# Altium PCB Item.PcbDoc
Units mm, origin at the board's own origin, x right, y up, seen from the top; angles counter-clockwise.
Board outline 55.9 x 55.9 mm, 2 copper layers (Top Layer, Bottom Layer); 35 components, 43 nets, 174 pads, 142 vias.
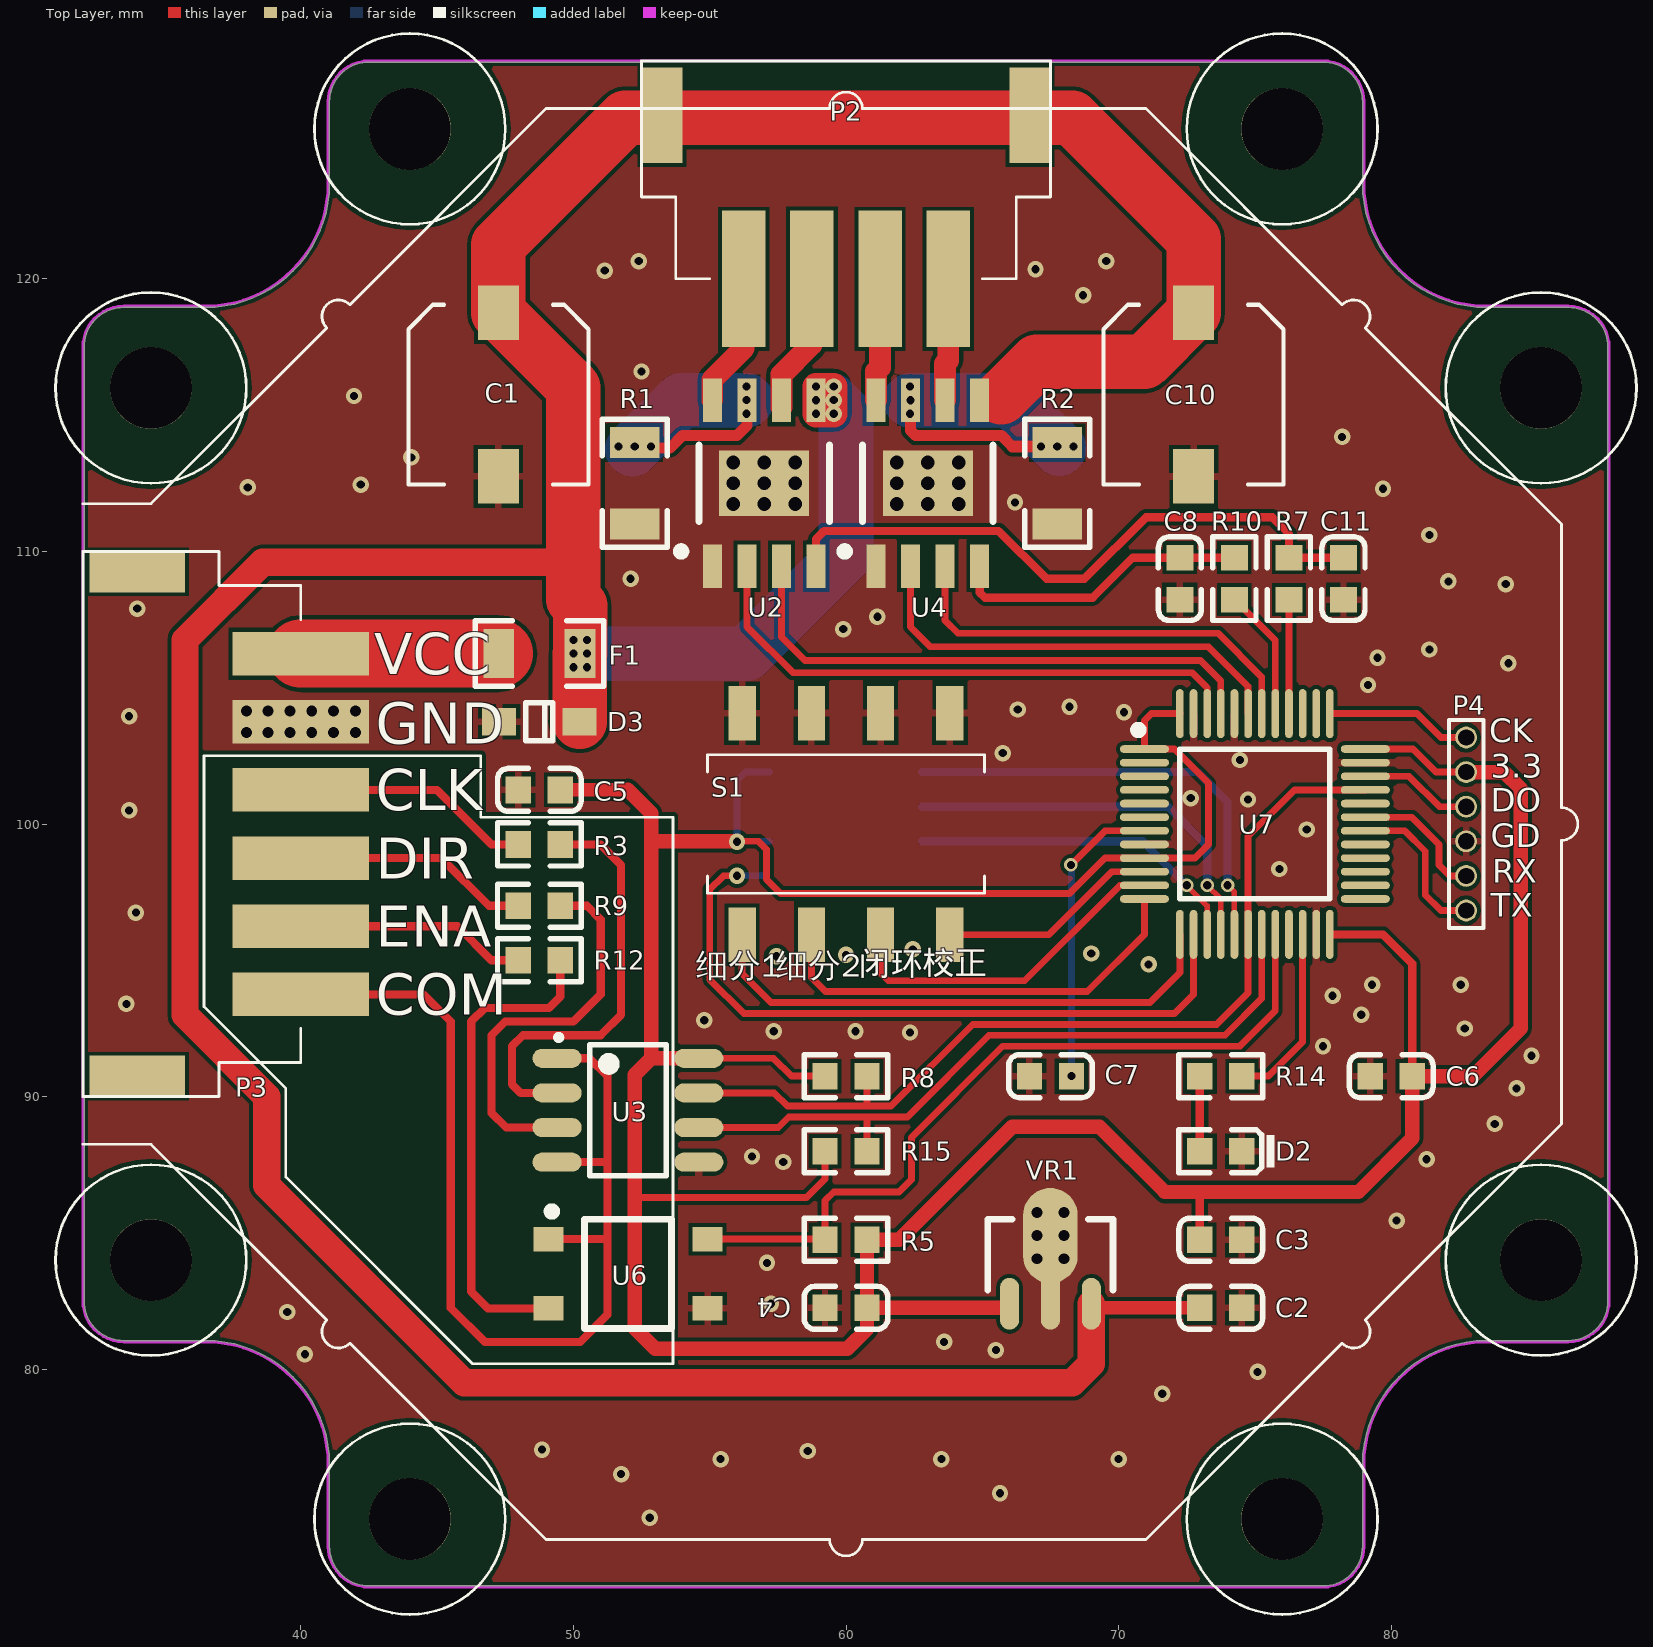
[diagram p0: Top Layer view]
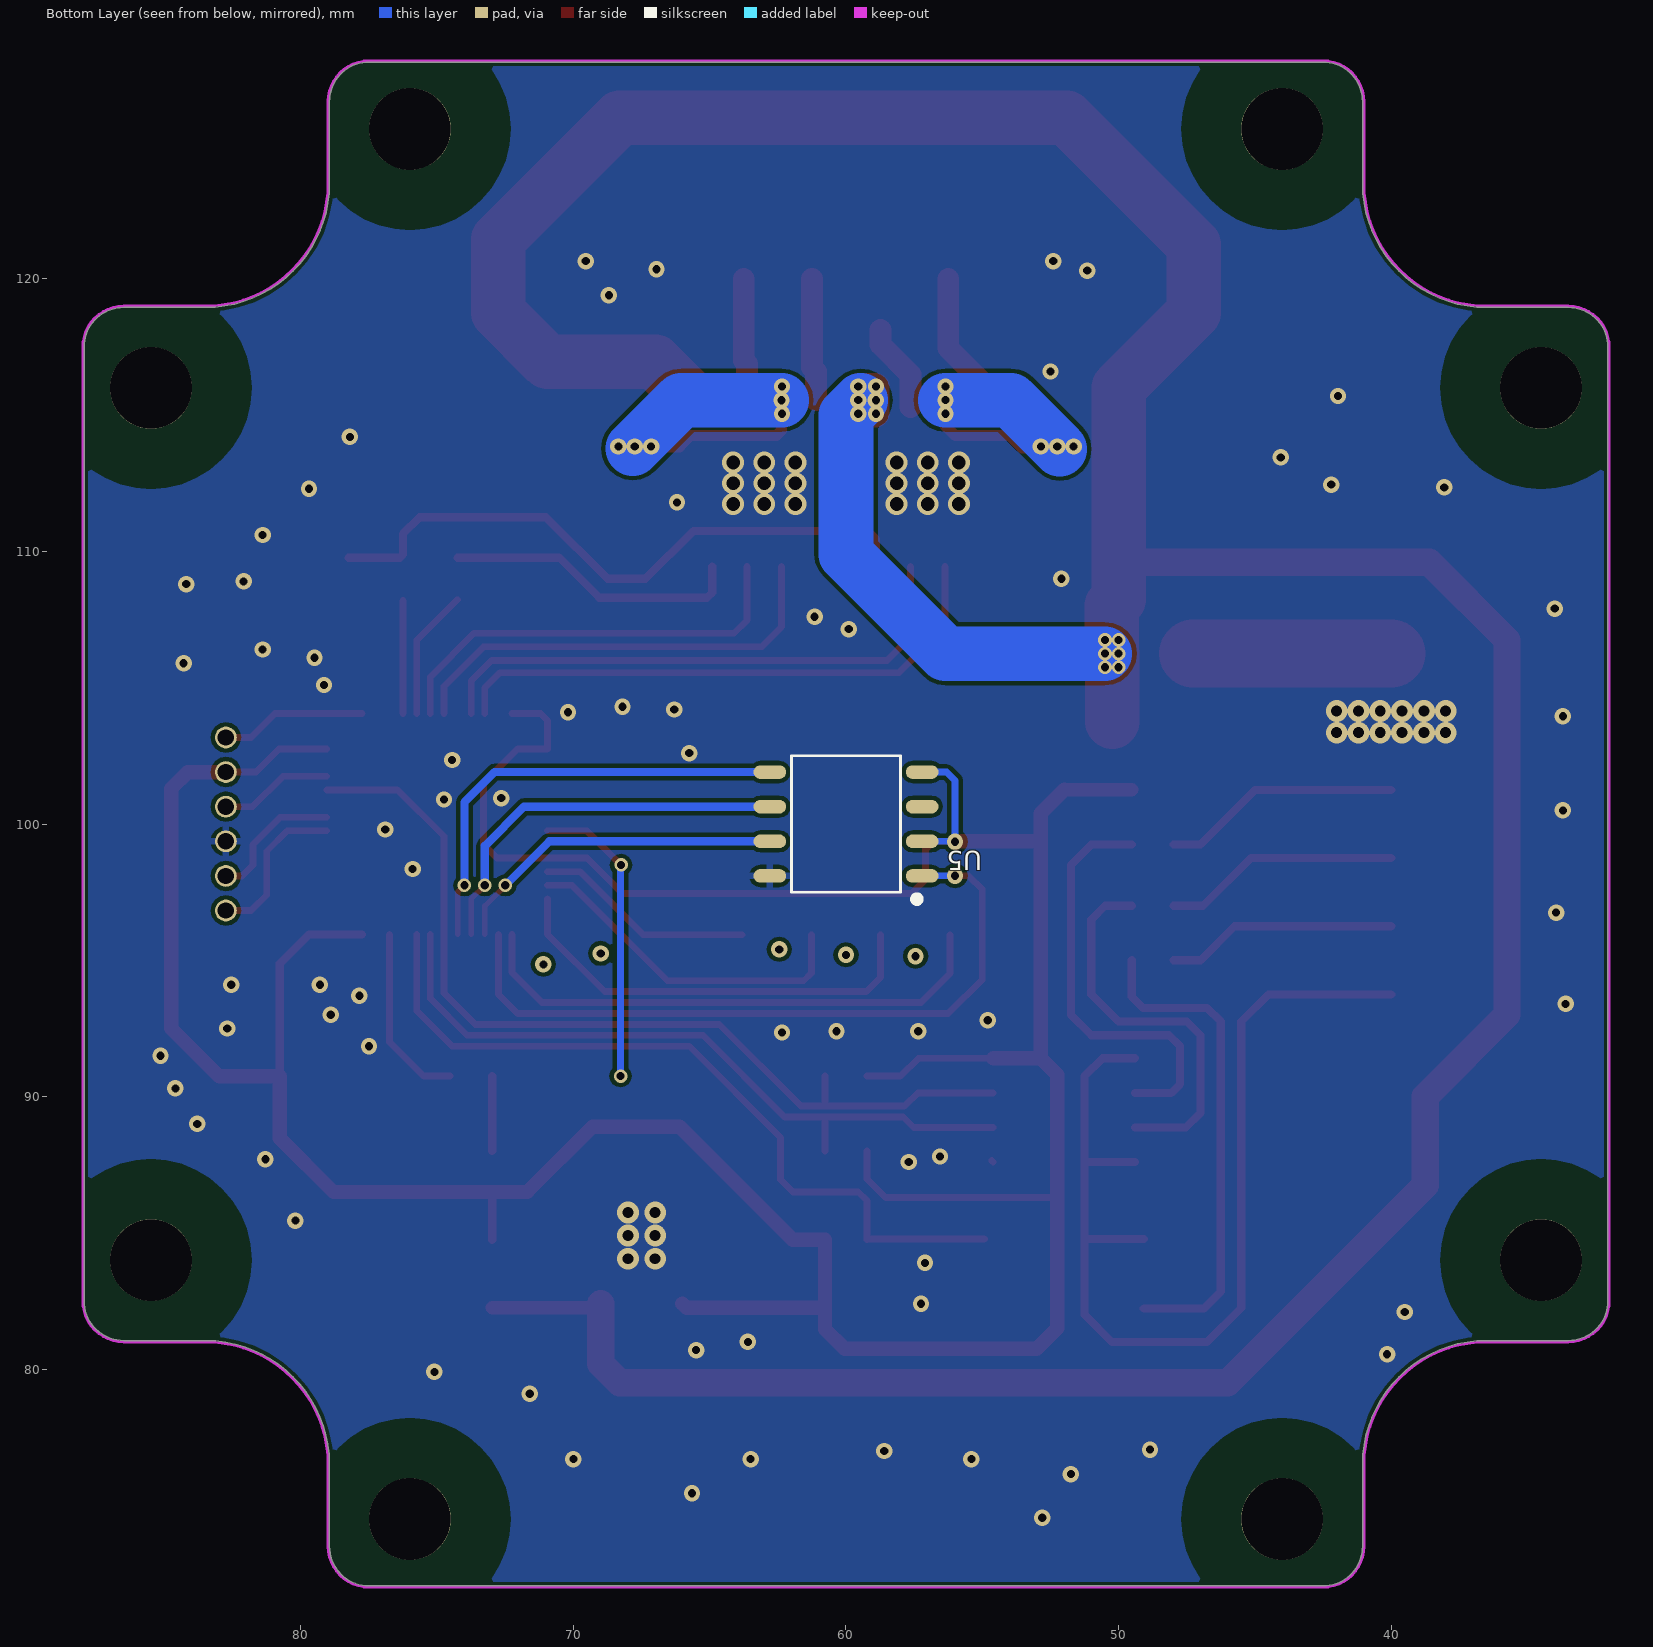
[diagram p1: Bottom Layer view, seen from below]
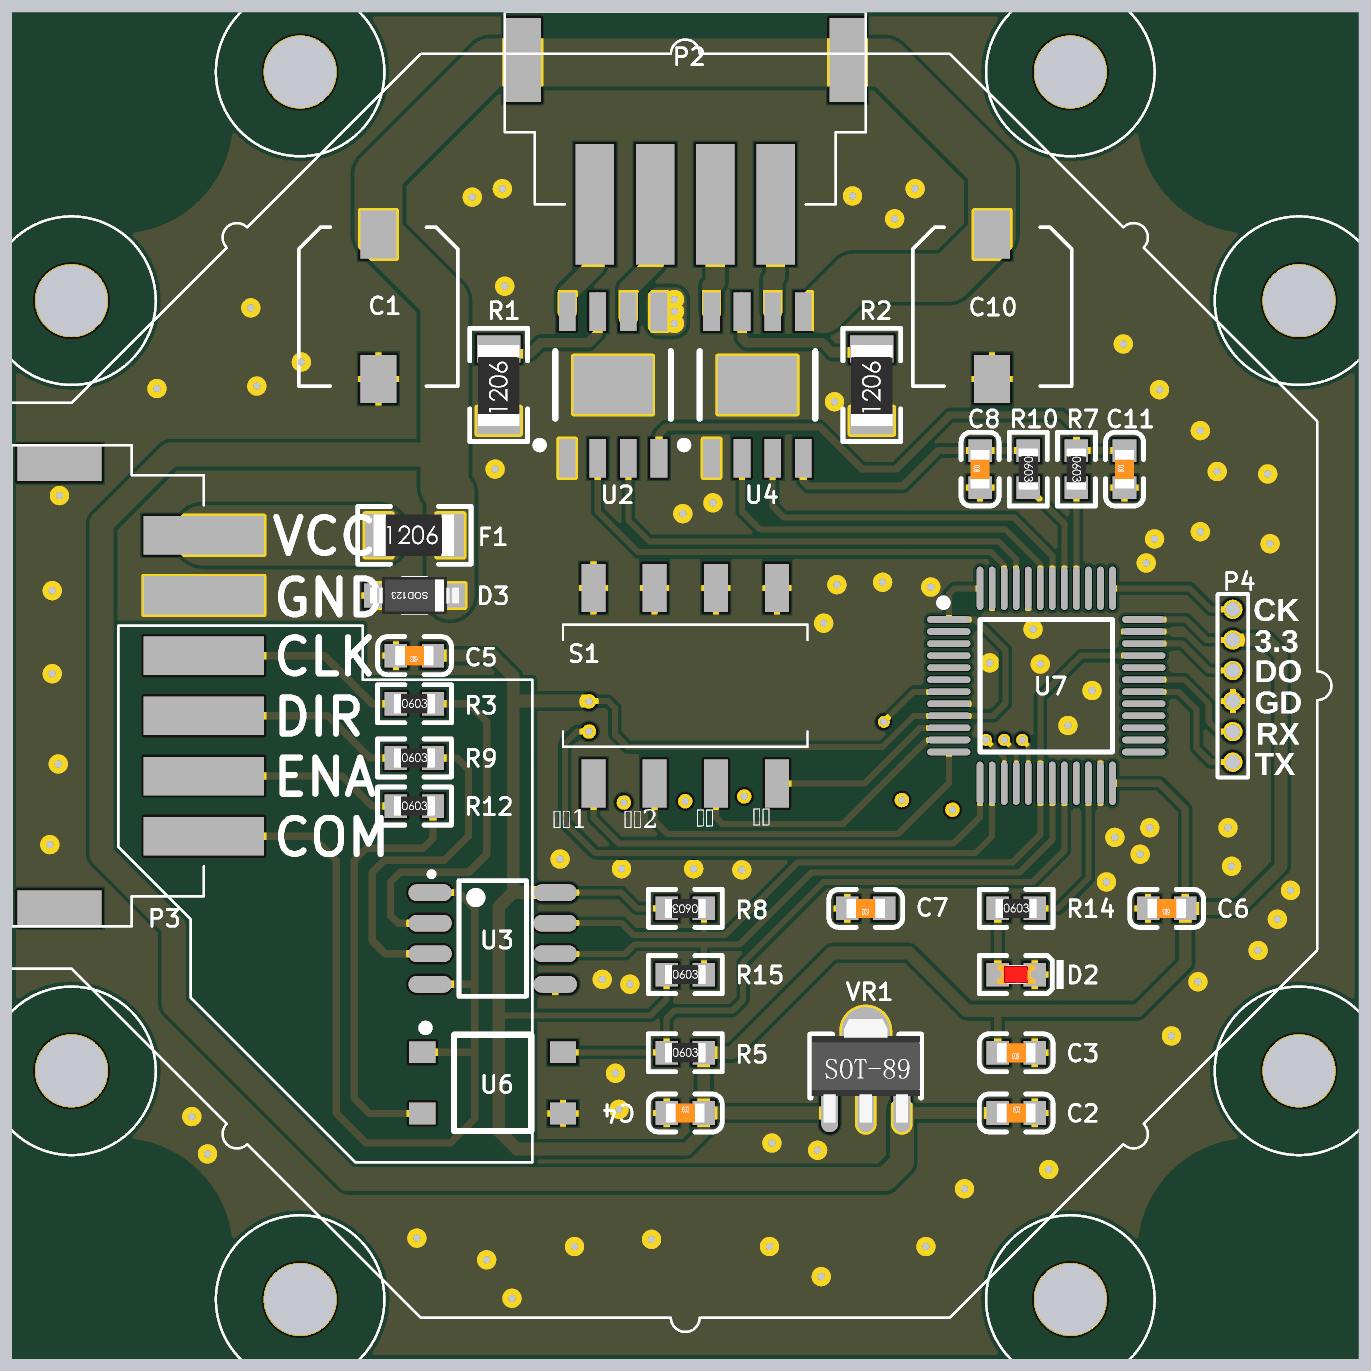
[diagram p2: 3D render of the assembled board from above, using the file's embedded part models]

## Layer stack, top to bottom
Top Layer: signal copper 0.0356
Dielectric: dielectric 0.32, FR-4, Dk 4.8
Bottom Layer: signal copper 0.0356

## Board outline
41.05,73.5 41.05,76.5 cw(c41,76.5) 41.05,76.499 41.05,76.5 ccw(c36.5,76.5) 36.5,81.05 33.5,81.05 cw(c33.5,82.5) 32.05,82.5 32.05,117.5 cw(c33.5,117.5) 33.5,118.95 36.5,118.95 ccw(c36.5,123.5) 41.05,123.5 ccw(c41,123.5) 41.05,123.501 41.05,126.5 cw(c42.5,126.5) 42.5,127.95 77.5,127.95 cw(c77.5,126.5) 78.95,126.5 78.95,123.5 ccw(c83.5,123.5) 83.5,118.95 ccw(c83.5,119) 83.501,118.95 86.5,118.95 cw(c86.5,117.5) 87.95,117.5 87.95,82.5 cw(c86.5,82.5) 86.5,81.05 83.476,81.05 ccw(c83.476,81) 83.473,81.05 ccw(c83.5,76.5) 78.95,76.527 ccw(c79,76.524) 78.95,76.524 78.95,73.5 cw(c77.5,73.5) 77.5,72.05 42.5,72.05 cw(c42.5,73.5)

## Design rules (kind name [scope] priority, off if disabled: settings)
Clearance Clearance_1 [All] p1: gap=0.15
ComponentClearance [All] p1: gap=0 collisioncheckmode=3 verticalgap=0 showdistances=FALSE
HoleSize [All] p1: absolutevalues=TRUE maxlimit=5 minlimit=0.3 maxpercent=80.000 minpercent=20.000
HoleToHoleClearance [All] p1: gap=0.16 allowstackedmicrovias=TRUE
MinimumSolderMaskSliver [All] p1: minsoldermaskwidth=0
PolygonConnect PolygonConnect_3 [(InComponent('U2') OR InComponent('U4') OR InComponent('R2') OR InComponent('R1')) OR InComponent('VR1')] p1: connectstyle=Direct reliefconductorwidth=0.254 reliefentries=4 polygonreliefangle="90 Angle"
PolygonConnect PolygonConnect_2 [InComponent('P3')] p2: connectstyle=Direct reliefconductorwidth=0.254 reliefentries=4 polygonreliefangle="90 Angle"
PolygonConnect PolygonConnect_1 [isvia] p3: connectstyle=Direct reliefconductorwidth=0.254 reliefentries=4 polygonreliefangle="90 Angle"
PolygonConnect [All] p4: connectstyle=Relief reliefconductorwidth=0.254 reliefentries=4 polygonreliefangle="90 Angle"
RoutingVias [All] p1: holewidth=0.3 width=0.6 viastyle="Through Hole" minholewidth=0.3 minwidth=0.5 maxholewidth=0.711 maxwidth=1.27
SilkToSilkClearance [All] p1: silktosilkclearance=0
SilkscreenOverComponentPads [All] p1: minsilkscreentomaskgap=0.1
SolderMaskExpansion [All] p1: expansion=0.102
Width [All] p1: maxlimit=5 minlimit=0.16 preferedwidth=0.25
22 further rules are at their usual default settings.

## Components (designator, comment, footprint, x,y, rotation, side; value= is the part's Value field where it differs from the comment)
C1 "CAP POL" CAP6377 47.25,115.75 r0 top
C2 "100nF (104) 10% 50V" 0603_C 73.75,82.25 r0 top
C3 "1uF (105) 10% 50V" 0603_C 73.75,84.75 r180 top
C4 "1uF (105) 10% 50V" 0603_C 60,82.25 r0 top
C5 "100nF (104) 10% 50V" 0603_C 48.75,101.25 r180 top
C6 "100nF (104) 10% 50V" 0603_C 80,90.75 r180 top
C7 "100nF (104) 10% 50V" 0603_C 67.5,90.75 r180 top
C8 "100nF (104) 10% 50V" 0603_C 72.25,109 r90 top
C10 "CAP POL" CAP6377 72.75,115.75 r0 top
C11 "100nF (104) 10% 50V" 0603_C 78.25,109 r90 top
D2 "蓝灯 0603" 0603_LED_S1 73.75,88 r180 top
D3 "DIODE" SOD-123 48.75,103.75 r180 top
F1 "FUSE" 1206_R 48.75,106.25 r0 top
P2 "HEADER4" XH-4-S-2 60,123 r0 top
P3 "HEADER6" XH-6-S 37,100 r90 top
P4 "HEADER6" 6P-1.27MM 82.75,100 r270 top
R1 "0.1Ω (R100) ±1%" 1206_R 52.25,112.5 r90 top
R2 "0.1Ω (R100) ±1%" 1206_R 67.75,112.5 r90 top
R3 "390Ω (3900) ±1%" 0603_R 48.75,99.25 r0 top
R5 "1KΩ (1001) ±1%" 0603_R 60,84.75 r0 top
R7 "1KΩ (1001) ±1%" 0603_R 76.25,109 r270 top
R8 "1KΩ (1001) ±1%" 0603_R 60,90.75 r180 top
R9 "390Ω (3900) ±1%" 0603_R 48.75,97 r0 top
R10 "1KΩ (1001) ±1%" 0603_R 74.25,109 r270 top
R12 "390Ω (3900) ±1%" 0603_R 48.75,95 r0 top
R14 "1KΩ (1001) ±1%" 0603_R 73.75,90.75 r0 top
R15 "1KΩ (1001) ±1%" 0603_R 60,88 r0 top
S1 "SWDIP-4" SWSUR-4 60,100 r90 top
U2 "A4950" SOIC-8_A4950 57,112.5 r0 top
U3 "TLP2168" SO-8_3.9MM 52,89.5 r270 top
U4 "A4950" SOIC-8_A4950 63,112.5 r0 top
U5 "MT6816" PG-DSO-8S 60,100 r0 bottom
U6 "EL357N(B)(TA)-G" SOP-4_P2.54 52,83.5 r0 top
U7 "STM32F030C8T6" LQFP-48_7x7x05P 75,100 r270 top
VR1 "78L05G-AB3-R" SOT-89(SOT-89-3) 67.5,82.4 r270 top

## Footprints (in the part's own frame and the unit in brackets; to place one, negate y for a bottom-side part, rotate by r counter-clockwise, add the part's x,y. Pads: shape width x height; smd on the part's side, far side on the other; paste and mask are expansions set on the pad)
6P-1.27MM [mm]
  round 0.8 hole 0.6: 1(-3.175,0) 2(-1.905,0) 3(-0.635,0) 4(0.635,0) 5(1.905,0) 6(3.175,0)
  silkscreen extent -3.81,-0.64 3.81,0.64
0603_C [mm]
  rect 0.93x0.98 smd: 1(-0.77,0) 2(0.77,0)
  silkscreen extent -1.53,-0.79 1.54,0.79, body extent -0.8,-0.4 0.8,0.4, height 0.3
0603_LED_S1 [mm]
  rect 0.93x0.98 smd: A(0.77,0) K(-0.77,0)
  silkscreen extent -1.97,-0.79 1.54,0.79, body extent -0.8,-0.4 0.8,0.4, height 0.6
0603_R [mm]
  rect 0.93x0.98 smd: 1(-0.77,0) 2(0.77,0)
  silkscreen extent -1.53,-0.79 1.54,0.79, body extent -0.85,-0.4 0.85,0.4, height 0.56
1206_R [mm]
  rect 1.13x1.8 smd: 1(-1.49,0) 2(1.49,0)
  silkscreen extent -2.36,-1.2 2.35,1.2, body extent -1.7,-0.86 1.65,0.87, height 0.85
CAP6377 [mm]
  rect 1.5x2 smd: 1(0,3) 2(0,-3)
  silkscreen extent -3.3,-3.3 3.3,3.3
LQFP-48_7x7x05P [mm]
  oval 0.28x1.8 smd mask+0.051: 1(-2.75,-4.05) 2(-2.25,-4.05) 3(-1.75,-4.05) 4(-1.25,-4.05) 5(-0.75,-4.05) 6(-0.25,-4.05) 7(0.25,-4.05) 8(0.75,-4.05) 9(1.25,-4.05) 10(1.75,-4.05) 11(2.25,-4.05) 12(2.75,-4.05) 25(2.75,4.05) 26(2.25,4.05) 27(1.75,4.05) 28(1.25,4.05) 29(0.75,4.05) 30(0.25,4.05) 31(-0.25,4.05) 32(-0.75,4.05) 33(-1.25,4.05) 34(-1.75,4.05) 35(-2.25,4.05) 36(-2.75,4.05)
  oval 1.8x0.28 smd mask+0.051: 13(4.05,-2.75) 14(4.05,-2.25) 15(4.05,-1.75) 16(4.05,-1.25) 17(4.05,-0.75) 18(4.05,-0.25) 19(4.05,0.25) 20(4.05,0.75) 21(4.05,1.25) 22(4.05,1.75) 23(4.05,2.25) 24(4.05,2.75) 37(-4.05,2.75) 38(-4.05,2.25) 39(-4.05,1.75) 40(-4.05,1.25) 41(-4.05,0.75) 42(-4.05,0.25) 43(-4.05,-0.25) 44(-4.05,-0.75) 45(-4.05,-1.25) 46(-4.05,-1.75) 47(-4.05,-2.25) 48(-4.05,-2.75)
  silkscreen extent -3.6,-4.42 2.75,2.75
PG-DSO-8S [mm] "SOP, 8-Leads, Body 4.9x3.9mm, Pitch 1.27mm, IPC Medium Density"
  oval 1.2x0.5 smd: 1(-2.794,1.905) 2(-2.794,0.635) 3(-2.794,-0.635) 4(-2.794,-1.905) 5(2.794,-1.905) 6(2.794,-0.635) 7(2.794,0.635) 8(2.794,1.905)
  silkscreen extent -2.72,-2.5 2,2.88
SO-8_3.9MM [mm]
  oval 0.7x1.8 smd: 1(-1.905,-2.6) 2(-0.635,-2.6) 3(0.635,-2.6) 4(1.905,-2.6) 5(1.905,2.6) 6(0.635,2.6) 7(-0.635,2.6) 8(-1.905,2.6)
  silkscreen extent -2.75,-2.62 2.4,1.4
SOD-123 [mm]
  rect 1.25x1 smd: 1(1.475,0) 2(-1.475,0)
  silkscreen extent -0.5,-0.7 0.5,0.7, body extent -1.85,-0.77 1.85,0.78, height 1.35
SOIC-8_A4950 [mm]
  rect 0.7x1.6 smd: 1(-1.905,-3.048) 2(-0.635,-3.048) 3(0.635,-3.048) 4(1.905,-3.048) 5(1.905,3.048) 6(0.635,3.048) 7(-0.635,3.048) 8(-1.905,3.048)
  rect 3.3x2.4 smd: 9(0,-0.005)
  silkscreen extent -3.2,-2.65 2.4,1.4
SOP-4_P2.54 [mm]
  rect 1.1x0.9 smd: 1(-2.921,1.27) 2(-2.921,-1.27) 3(2.921,-1.27) 4(2.921,1.27)
  silkscreen extent -2.94,-2 1.6,2.44
SOT-89(SOT-89-3) [mm]
  oval 1.9x0.7 smd: 1(0,-1.5) 3(0,1.5)
  oval 3.5x2 smd: 2(-2.5,0)
  oval 2.1x0.7 smd: 2(-0.1,0)
  silkscreen extent -3.1,-2.3 -0.5,2.3, body extent -3.75,-2.25 0.55,2.25, height 1.51
SWSUR-4 [mm]
  rect 2x1 smd: 1(-4.064,3.81) 2(4.064,3.81) 3(-4.064,1.27) 4(4.064,1.27) 5(-4.064,-1.27) 6(4.064,-1.27) 7(-4.064,-3.81) 8(4.064,-3.81)
  silkscreen extent -2.54,-5.08 2.54,5.08
XH-4-S-2 [mm]
  rect 1.6x5 smd: 1(-3.75,-3) 2(-1.25,-3) 3(1.25,-3) 4(3.75,-3)
  rect 1.5x3.5 smd: ""(-6.75,3) ""(6.75,3)
  silkscreen extent -7.5,-3 7.5,5
XH-6-S [mm]
  rect 1.6x5 smd: 1(6.25,-3) 2(3.75,-3) 3(1.25,-3) 4(-1.25,-3) 5(-3.75,-3) 6(-6.25,-3)
  rect 1.5x3.5 smd: ""(-9.25,3) ""(9.25,3)
  silkscreen extent -10,-3 10,5

## Part data
C1 C10: "Polarized Capacitor (Axial)"
C2 C5 C6 C7 C8 C11: library part "0603 100nF (104) 10% 50V", "贴片"
C3 C4: library part "0603 1uF (105) 10% 50V", "贴片"
D2: library part "0603 蓝灯", "·"
D3: "Diode"
F1: "Fuse"
P2: "Header, 4-Pin"
P3 P4: "Header, 6-Pin"
R1 R2: library part "1206 0.1Ω (R100) 1%", "贴"
R3 R9 R12: library part "0603 390Ω (3900) 1%", "贴"
R5 R7 R8 R10 R14 R15: library part "0603 1KΩ (1001) 1%", "贴"
S1: "DIP Switch, 4Position, SPST"
U2 U4: "Dual Full-Bridge  DMOS PWM Motor Driver"
U3: "HIGH SPEED 10MBit/s LOGIC GATE  PHOTOCOUPLER"
U5: "GMR-Based Angle Sensor"
U6: library part EL357N(B)(TA)-G_[C6649], "贴片"
U7: "ARM"
VR1: library part "SOT-89 78L05G-AB3-R", "低压差线"

## Free pads (board coordinates)
  round 3 hole 3: ""(34.5,84) ""(34.5,116) ""(44,74.5) ""(44,125.5) ""(76,74.5) ""(76,125.5) ""(85.5,84) ""(85.5,116)

## Via types
v1: diameter 0.6, hole 0.3, Top Layer to Bottom Layer, 95 vias
v2: diameter 0.8, hole 0.4, Top Layer to Bottom Layer, 18 vias
v3: diameter 0.8, hole 0.5, Top Layer to Bottom Layer, 18 vias
v4: diameter 0.5, hole 0.3, Top Layer to Bottom Layer, 11 vias

## Nets (pads, with @x,y where several pads share a name; then routed paths per layer and width w, separated by ;. In a path a pad name is that pad's centre, name@x,y a point inside that pad or via, vN(x,y) a via of type N, cw(c..) or ccw(c..) an arc to the next point about the centre after c; other vN are vias at no path point)
3.3V: C3.2 C4.2 C5.1 C6.1 P4.2 R5.2 R8.2 R15.1 U3.8 U5.2 U5.4 U7.1 U7.9 U7.24 U7.36 U7.48 VR1.1 | length 145.4
  Top Layer w0.25: 52.25,86.3 58.55,86.3 59.23,86.98 R15.1 ; U3.8 57.345,91.405 58,90.75 R8.2 ; v1@55.985,99.365 56.785,99.365 57.079,99.071 57.079,97.971 57.6,97.45 68.2,97.45 69.5,98.75 U7.9 72.8,98.75 73.3,99.25 73.3,101.5 72.05,102.75 U7.1 70.95,103.8 71.2,104.05 U7.48 ; U7.36 80.8,102.75 81.645,101.905 P4.2
  Top Layer w0.3: C3.2 72.98,86.48 73,86.5 ; U7.24 79.7,95.95 80.77,94.88 C6.1
  Top Layer w0.5: C5.1 52,101.25
  Top Layer w0.53: 52,101.25 52.855,100.395 52.855,91.405 ; 52.855,99.365 v1@55.985,99.365 ; U3.8 52.855,91.405 ; R5.2 C4.2 ; R5.2@60.8,84.75 60.89,84.75 61.95,84.75 66.1,88.9 69.3,88.9 71.7,86.5 73,86.5 78.8,86.5 80.77,88.47 C6.1 83,90.75 84.75,92.5 84.75,101.3 84.145,101.905 P4.2 ; VR1.1 65.85,82.25 C4.2 ; 52.855,91.405 52.25,90.8 52.25,81.5 53,80.75 60.05,80.75 60.77,81.47 C4.2
  Bottom Layer w0.25: U5.2 56.015,99.365 v1(56,99.35) 56,101.6 56.305,101.905 U5.4
CAL: S1.7 U7.10 | length 8.1
  Top Layer w0.25: S1.7 67.436,95.936 69.75,98.25 U7.10
CLK-: P3.3 R3.1 | length 8.8
  Top Layer w0.3: P3.3 45,101.25 47,99.25 R3.1
CLKIN: R8.1 U3.7 U7.18 U7.33 | length 33.9
  Top Layer w0.25: U3.7 57.365,90.135 57.85,89.65 60.75,89.65 ; R8.1 60.77,89.67 60.75,89.65 ; U7.33 76.45,101.25 74.75,99.55 U7.18 74.75,93.8 73.6,92.65 64.65,92.65 61.65,89.65 60.75,89.65
COM: P3.6 U3.1 U3.4 U6.1 | length 38
  Top Layer w0.3: P3.6 44.5,93.75 45.5,92.75 45.5,82.25 46.75,81 50.25,81 51.25,82 51.25,84.75 ; U6.1 51.23,84.77 51.25,84.75 ; U3.4 51.245,87.595 51.25,87.6 ; U3.1 50.595,91.405 51.25,90.75 51.25,87.6 ; 51.25,84.75 51.25,87.6
CSQ: U5.1 U7.14 | length 26.3
  Top Layer w0.25: v1(56,98.1) 55.5,98.1 55,97.6 55,94.3 56.25,93.05 72.05,93.05 72.75,93.75 U7.14
  Bottom Layer w0.25: v1(56,98.1) 57.074,98.1 U5.1@57.079,98.095
DIR-: P3.4 R9.1 | length 8.7
  Top Layer w0.3: P3.4 45.15,98.75 46.9,97 R9.1
DIRIN: R15.2 U3.6 U7.19 | length 26.2
  Top Layer w0.25: U3.6 57.515,88.865 57.9,89.25 60.75,89.25 ; R15.2 60.77,89.23 60.75,89.25 ; U7.19 75.25,93.6 73.9,92.25 65.25,92.25 62.25,89.25 60.75,89.25
EN-: P3.5 R12.1 | length 8.5
  Top Layer w0.3: P3.5 45.75,96.25 47,95 R12.1
ENIN: R5.1 U6.4 U7.20 | length 28.9
  Top Layer w0.25: U6.4 59.21,84.77 R5.1 59.23,86.18 ; 59.25,86.2 59.23,86.18 ; U7.20 75.75,93.15 74.45,91.85 65.75,91.85 62.4,88.5 62.4,86.95 61.95,86.5 59.55,86.5 59.23,86.18
GND: C1.2 C2.2 C3.1 C4.1 C5.2 C6.2 C7.2 C8.1 C10.2 C11.1 D2.K D3.1 P3.2 P4.4 R1.1 R2.1 S1.2 S1.4 S1.6 S1.8 U2.1 U2.9 U3.5 U4.1 U4.9 U5.8 U6.3 U7.8 U7.23 U7.35 U7.44 U7.47 VR1.2 | length 0.1
  Top Layer w0.25: U3.5 U3.5@54.655,87.65
  other v1: 52.8,74.55 65.65,75.45 51.75,76.15 55.4,76.7 63.5,76.7 70,76.7 58.6,77 48.85,77.05 71.6,79.1 75.1,79.9 40.15,80.55 65.5,80.7 63.6,81 39.5,82.1 57.25,82.4 57.1,83.9 80.2,85.45 57.7,87.6 81.3,87.7 56.55,87.8 83.8,89 84.6,90.3 85.15,91.5 77.5,91.85 62.35,92.35 57.35,92.4 60.35,92.4 82.7,92.5 54.8,92.8 78.9,93 33.6,93.4 77.85,93.7 79.3,94.1 82.55,94.1 33.95,96.75 75.9,98.35 76.9,99.8 33.7,100.5 74.75,100.9 72.65,100.95 74.45,102.35 65.75,102.6 33.7,103.95 70.2,104.1 66.3,104.2 68.2,104.3 79.15,105.1 84.3,105.9 79.5,106.1 81.4,106.4 59.9,107.15 61.15,107.6 34,107.9 84.2,108.8 82.1,108.9 52.1,109 81.4,110.6 66.2,111.8 79.7,112.3 38.05,112.35 42.2,112.45 44.05,113.45 78.2,114.2 41.95,115.7 52.5,116.6 68.7,119.4 51.15,120.3 66.95,120.35 52.4,120.65 69.55,120.65
  other v2: 67,84.05 68,84.05 67,84.9 68,84.9 67,85.75 68,85.75 38,103.35 38.8,103.35 39.6,103.35 40.4,103.35 41.2,103.35 42,103.35 38,104.15 38.8,104.15 39.6,104.15 40.4,104.15 41.2,104.15 42,104.15
  other v3: 55.857,111.738 57,111.738 58.143,111.738 61.857,111.738 63,111.738 64.143,111.738 55.857,112.5 57,112.5 58.143,112.5 61.857,112.5 63,112.5 64.143,112.5 55.857,113.262 57,113.262 58.143,113.262 61.857,113.262 63,113.262 64.143,113.262
IN1: U4.3 U7.42 | length 15.8
  Top Layer w0.25: U4.3 63.635,107.465 64.1,107 73.65,107 75.25,105.4 U7.42
IN2: U4.2 U7.43 | length 16.5
  Top Layer w0.25: U4.2 62.365,107.235 63.1,106.5 73.3,106.5 74.75,105.05 U7.43
IN3: U2.3 U7.45 | length 20.6
  Top Layer w0.25: U2.3 57.635,106.865 58.5,106 73,106 73.75,105.25 U7.45
IN4: U2.2 U7.46 | length 21
  Top Layer w0.25: U2.2 56.365,107.235 58.05,105.55 72.7,105.55 73.25,105 U7.46
MISO: U5.6 U7.16 | length 14.5
  Top Layer w0.2: v4(73.25,97.75) 73.75,97.25 U7.16
  Bottom Layer w0.3: U5.6 71.815,100.635 73.25,99.2 v4(73.25,97.75)
MOSI: U5.5 U7.17 | length 16.6
  Top Layer w0.2: v4(74,97.75) 74.25,97.5 U7.17
  Bottom Layer w0.3: U5.5 72.895,101.905 74,100.8 v4(74,97.75)
NetC7_1: C7.1 U7.7 | length 11
  Top Layer w0.25: v4(68.25,98.5) 69.5,99.75 U7.7
  Bottom Layer w0.25: v4(68.25,98.5) 68.27,98.48 v4(68.27,90.75)
NetD2_A: D2.A R14.1 | length 2.8
  Top Layer w0.3: D2.A R14.1
NetF1_1: F1.1 P3.1 | length 7.3
  Top Layer w2.5: P3.1 F1.1
NetR1_2: R1.2 U2.7 | length 10.3
  Top Layer w0.4: R1.2@52.25,113.8 53.55,113.8 54,114.25 56,114.25 56.365,114.615 U2.7
  Bottom Layer w2: v1@52.155,113.755 53.95,115.55 v1(56.35,115.55)
  other v1: 51.65,113.85 52.25,113.85 52.85,113.85 56.35,115.05 56.35,116.05
NetR2_2: R2.2 U4.7 | length 12.9
  Top Layer w0.4: v1(62.365,115.548) 62.365,114.435 62.55,114.25 65.7,114.25 66.1,113.85
  Top Layer w0.43: 66.1,113.85 v1(67.75,113.85)
  Bottom Layer w2: v1(62.365,115.548) 66.052,115.548 v1@67.825,113.775
  other v1: 67.15,113.85 68.35,113.85 62.35,115.05 62.35,116.05
NetR3_2: R3.2 U3.2 | length 15.7
  Top Layer w0.3: U3.2 48.065,90.135 47.75,90.45 47.75,91.85 48.15,92.25 51,92.25 51.75,93 51.75,98.5 51,99.25 R3.2
NetR9_2: R9.2 U3.3 | length 14.5
  Top Layer w0.3: U3.3 47.535,88.865 47,89.4 47,92.25 47.5,92.75 50,92.75 51,93.75 51,96.5 50.5,97 R9.2
NetR12_2: R12.2 U6.2 | length 18
  Top Layer w0.3: U6.2 46.87,82.23 46.25,82.85 46.25,92.75 46.75,93.25 49.1,93.25 49.52,93.67 R12.2
NetR14_2: R14.2 U7.22 | length 6.7
  Top Layer w0.25: R14.2 75.5,90.75 76.75,92 U7.22
OPCL: S1.5 U7.11 | length 12.7
  Top Layer w0.25: S1.5 61.27,94.53 61.55,94.25 66.55,94.25 70.05,97.75 U7.11
OUT1: P2.4 U4.6 | length 4.5
  Top Layer w0.8: U4.6 63.635,116.885 63.75,117 P2.4
OUT2: P2.3 U4.8 | length 4.5
  Top Layer w0.8: U4.8 61.095,116.595 61.25,116.75 P2.3
OUT3: P2.2 U2.6 | length 3.3
  Top Layer w0.8: U2.6@57.635,115.294 U2.6 57.635,116.485 58.73,117.58 P2.2@58.73,118.13
OUT4: P2.1 U2.8 | length 4.9
  Top Layer w0.8: U2.8 55.095,116.295 56.25,117.45 P2.1
PWM1: R7.2 U7.40 | length 4.2
  Top Layer w0.25: U7.40 R7.2@76.25,108.2
PWM2: R10.2 U7.41 | length 4.8
  Top Layer w0.25: R10.2 75.75,106.73 U7.41
RX: P4.5 U7.31 | length 5
  Top Layer w0.25: U7.31 80.75,100.25 81.75,99.25 81.75,98.5 82.155,98.095 P4.5
SCK: U5.7 U7.15 | length 12.5
  Top Layer w0.2: v4(72.5,97.75) 73.25,97 U7.15
  Bottom Layer w0.3: U5.7 70.885,99.365 v4(72.5,97.75)
SET1: S1.1 U7.13 | length 19.8
  Top Layer w0.25: S1.1 56.19,94.51 57.25,93.45 71.15,93.45 72.25,94.55 U7.13
SET2: S1.3 U7.12 | length 16.2
  Top Layer w0.25: S1.3 58.73,94.37 59.25,93.85 68.85,93.85 70.95,95.95 U7.12
SWCLK: P4.1 U7.37 | length 5.4
  Top Layer w0.25: U7.37 80.95,104.05 81.825,103.175 P4.1
SWDIO: P4.3 U7.34 | length 4.2
  Top Layer w0.25: U7.34 80.65,101.75 81.765,100.635 P4.3
TX: P4.6 U7.30 | length 5.8
  Top Layer w0.25: U7.30 80.5,99.75 81.25,99 81.25,97.4 81.825,96.825 P4.6
VIN: C1.1 C2.1 C10.1 D3.2 F1.2 P2. U2.5 U4.5 VR1.3 | length 155.7
  Top Layer w0.5: VR1.3 69.15,82.25 C2.1
  Top Layer w1: 50.05,109.6 38.6,109.6 35.75,106.75 35.75,93 38.75,90 38.75,86.75 46,79.5 68.3,79.5 69,80.2 VR1.3 ; U2.5@58.9,115.553 v1(58.9,116.05) v1(59.55,116.05) v1(59.55,115.55) v1(59.55,115.05) 58.91,115.05 58.905,115.055 v1(58.905,115.548) U2.5@58.9,115.553
  Top Layer w2: D3.2 50.24,103.765 F1.2 50.25,106.26 50.25,108 50,108.25 50,116 C1.1 47.25,121.25 51.9,125.9 68.3,125.9 72.75,121.45 C10.1 70.95,116.95 67,116.95 65.7,115.65
  Bottom Layer w2: v4(50.5,106.25) 56.35,106.25 60,109.9 60,115 v1@59.452,115.548
  other v1: 58.9,115.05
  other v4: 50,105.75 50.5,105.75 50,106.25 50,106.75 50.5,106.75
VR12: C8.2 R10.1 U4.4 | length 11
  Top Layer w0.3: U4.4 64.905,108.495 65.1,108.3 69.05,108.3 70.52,109.77 C8.2 R10.1
VR34: C11.2 R7.1 U2.4 | length 23.2
  Top Layer w0.3: U2.4 58.905,110.455 59.2,110.75 65.6,110.75 67.35,109 68.75,109 71,111.25 75.65,111.25 76.25,110.65 76.25,109.89 76.37,109.77 C11.2
pads on no net: P3. U5.3 U7.2 U7.3 U7.4 U7.5 U7.6 U7.21 U7.25 U7.26 U7.27 U7.28 U7.29 U7.32 U7.38 U7.39
copper on no net:
  other v1: 71.1,94.85 57.45,95.15 60,95.2 69,95.25 62.45,95.4

## Polygon pours and split planes (outlines as drawn)
GND on Top Layer "Top Layer-No Net" (solid, remove dead copper, pour order 2): 32,128 32,72 88,72 88,128
GND on Bottom Layer "Top Layer-No Net" (solid, remove dead copper, pour order 6): 32,128 32,72 88,72 88,128
GND on Bottom Layer "Top Layer-No Net" (solid, remove dead copper, pour order 4): 32,128 32,72 88,72 88,128

## Keep-outs
Keep-Out Layer:
  lines w0.1: 79,76.503 cw(c83.5,76.5) 83.5,81 ; 79,76.524 79,73.5 cw(c77.5,73.5) 77.5,72 42.5,72 cw(c42.5,73.5) 41,73.5 41,76.5 ccw(c36.5,76.5) 36.5,81 33.5,81 cw(c33.5,82.5) 32,82.5 32,117.5 cw(c33.5,117.5) 33.5,119 36.5,119 ccw(c36.5,123.5) 41,123.5 41,126.5 cw(c42.5,126.5) 42.5,128 77.5,128 cw(c77.5,126.5) 79,126.5 ; 79,126.6 79,123.5 ccw(c83.5,123.5) 83.5,119 86.5,119 cw(c86.5,117.5) 88,117.5 88,82.5 cw(c86.5,82.5) 86.5,81 83.476,81

## Silkscreen, mask and mechanical layers (free items; w line width, h text height)
Top Overlay:
  circle w0.1: c34.5,84 r3.5
  circle w0.1: c44,74.5 r3.5
  circle w0.1: c76,74.5 r3.5
  circle w0.1: c85.5,84 r3.5
  circle w0.1: c85.5,116 r3.5
  circle w0.1: c76,125.5 r3.5
  circle w0.1: c44,125.5 r3.5
  circle w0.1: c34.5,116 r3.5
  lines w0.1: 32,88.25 34.5,88.25 40.951,81.799 ccw(c41.375,81.375) 41.799,80.951 49,73.75 59.4,73.75 ccw(c60,73.75) 60.6,73.75 71,73.75 78.201,80.951 ccw(c78.625,81.375) 79.049,81.799 86.25,89 86.25,99.4 ccw(c86.25,100) 86.25,100.6 86.25,111 79.049,118.201 ccw(c78.625,118.625) 78.201,119.049 71,126.25 60.6,126.25 ccw(c60,126.25) 59.4,126.25 49,126.25 41.799,119.049 ccw(c41.375,118.625) 40.951,118.201 34.5,111.75 32,111.75 ; 43.8,78.95 43.85,78.9 ; 36.45,93.3 36.45,102.5 46.6,102.5 46.6,100.25 53.65,100.25 53.65,80.2 46.3,80.2 39.45,87.05 39.45,90.3 36.45,93.3
  text "VCC" at 42.7,105.5 h1.5
  text "GND" at 42.75,102.95 h1.5
  text "CK" at 83.6,102.7 h1.5
  text "3.3" at 83.65,101.4 h1.5
  text "CLK" at 42.75,100.5 h1.5
  text "DO" at 83.65,100.15 h1.5
  text "GD" at 83.65,98.85 h1.5
  text "DIR" at 42.75,98 h1.5
  text "RX" at 83.7,97.55 h1.5
  text "TX" at 83.65,96.3 h1.5
  text "ENA" at 42.75,95.5 h1.5
  text "校正" at 62.8,94.2 h1.5
  text "闭环" at 60.45,94.15 h1.5
  text "细分1" at 54.5,94.1 h1.5
  text "细分2" at 57.45,94.1 h1.5
  text "COM" at 42.75,93 h1.5
Bottom Solder:
  rectangle: 65.2,81.25 69.75,87
  rectangle: 61.25,111.2 64.75,113.8
  rectangle: 55.25,111.2 58.75,113.8